# KiCad board Azimuth_PCB (1).kicad_pcb (continued)
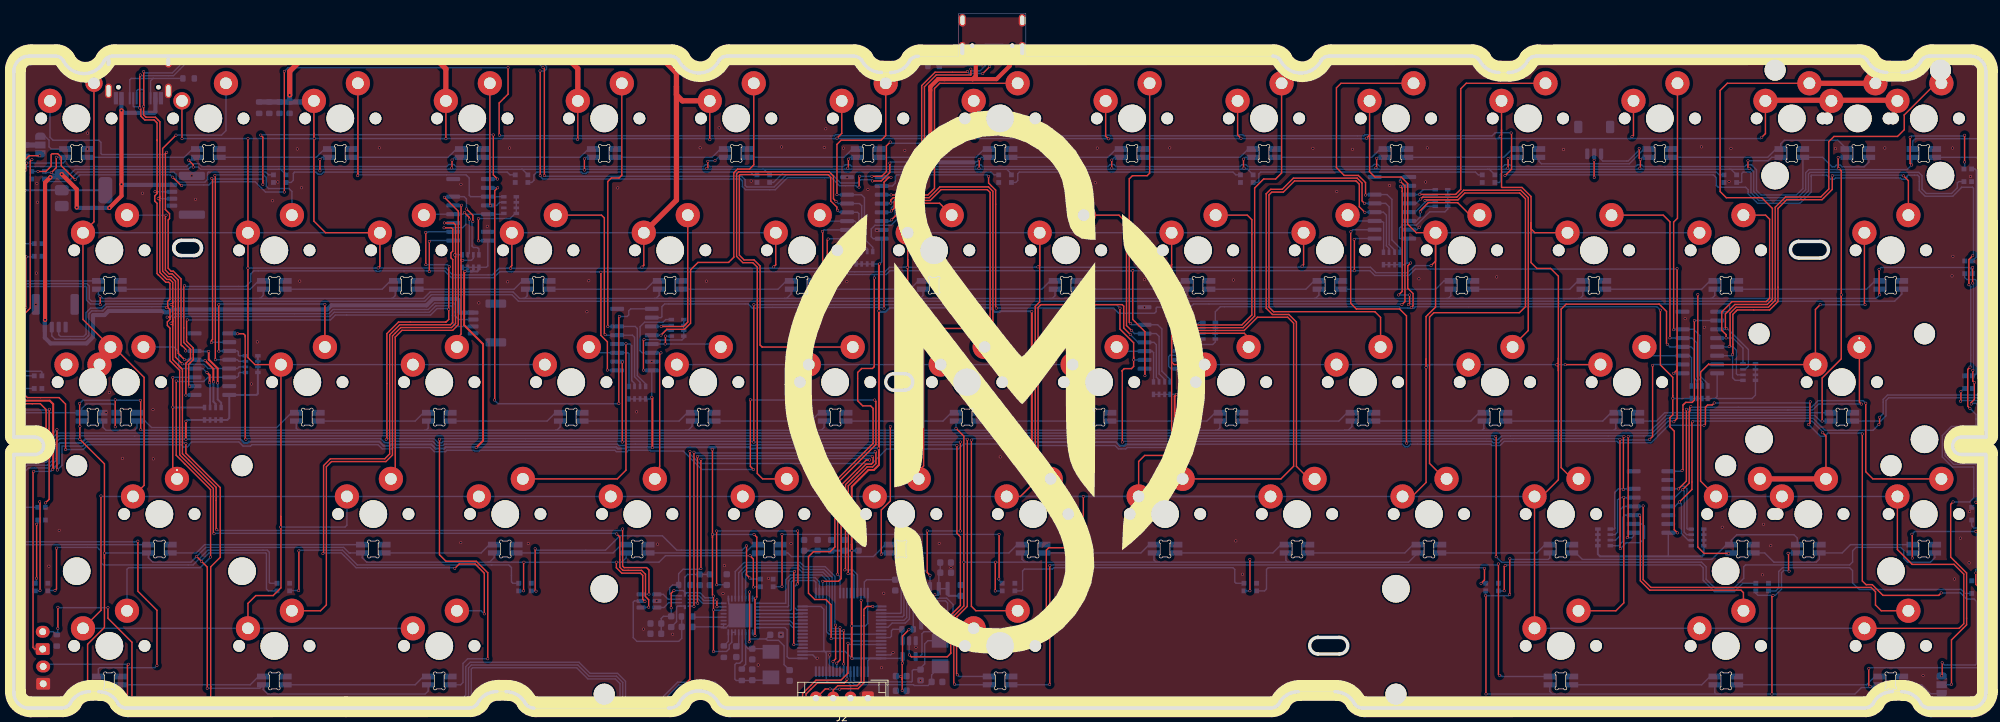
[diagram p0: board, top side]
## Routing (per net, layer and track width the routed paths; a pad name or vN(x,y) marks a point on that pad's centre or on a via; arc(x,y) is an arc through that point) (continued)
MOSI: length 13.5
  Bottom w0.2: 130.99,17.27 130.99,18.99 131,18.99 130.9,19.09 129.2,19.09 128.9,18.79 128.9,13.09 128.5,12.69 U1.53
n: length 52.7
  Top w0.2: SW49.2 149.39,33.12 147.86,34.65 147.86,57.88 148.27,58.29 160.02,58.29 160.23,58.08 160.23,54.93 v1(161.18,53.98)
  Bottom w0.2: v1(161.18,53.98) 162.31,52.84 U12.4 164.61,52.84 164.94,52.51 164.94,47.82 165.33,47.43 RN9.6
NXT: length 33.7
  Top w0.2: v1(118.63,11.99) 118.63,7.13 v1(118.25,6.74)
  Bottom w0.2: U1.11 118.25,5.3 v1(118.25,6.74) ; v1(118.63,11.99) 118.53,12.09 118.53,19.04 117.13,20.44 114.13,20.44 113.53,21.04 105.45,21.04 104.15,19.74 U7.11
o: length 9.9
  Bottom w0.2: RN11.5 197.75,65.88 197.75,70.13 197.61,70.27 197.46,70.27 197.35,70.38 U14.3 193.38,70.38 SW24.2
p: length 15
  Top w0.2: SW25.2 210.24,71.22 208.44,73.02 204.19,73.02 203.03,71.87 v1(203.03,71.67)
  Bottom w0.2: RN12.5 203.85,72.49 v1(203.03,71.67) 203.03,70.97 202.45,70.38 U14.14
q: length 47.4
  Top w0.2: v1(29.09,50.33) 29.09,76.87 v1(29.02,76.94)
  Bottom w0.2: SW16.2 40.14,74.64 39.73,75.06 36.77,75.06 36.45,75.38 36.45,76.65 36.06,77.04 29.12,77.04 v1(29.02,76.94) ; RN1.7 32.5,50.1 32.27,50.33 U3.12 v1(29.09,50.33)
r: length 22.5
  Top w0.2: v1(93.46,55.13) 96.66,55.13 97.29,55.77 SW19.2
  Bottom w0.2: U10.11 93.44,55.15 v1(93.46,55.13) 93.67,55.34 RN5.7
ralt: length 32
  Top w0.2: v1(232.42,30.46) 232.42,15.2 231.29,14.07 SW60.2
  Bottom w0.2: v1(232.42,30.46) 232.46,30.42 233.85,30.42 231.86,30.42 231.51,30.06 231.51,25.41 231.17,25.07 RN15.6
rctrl: length 60.9
  Top w0.2: SW62.2 269.59,14.07 268.76,14.9 268.76,16.81 268.13,17.44 236.34,17.44 235.22,18.56 v1(235.22,29.21)
  Bottom w0.2: v1(235.22,29.21) 235.15,29.15 U13.4 232.65,29.15 232.63,29.12 232.36,29.12 231.91,28.67 231.91,24.94 231.24,24.27 RN15.7
RGB: length 2
  Bottom w0.762: R15.1 1.83,81.35 JP1.2
rshift: length 56.7
  Top w0.2: v1(242.36,41.37) 242.26,41.27 242.26,31.59 v1(240.45,29.78) ; v1(261.13,39.79) 261.6,39.32 SW2001.2
  Top w0.762: SW54.2 SW2001.2
  Bottom w0.2: U13.13 239.81,29.15 v1(240.45,29.78) 240.74,29.49 240.74,25.26 241.73,24.26 RN16.6 ; v1(242.36,41.37) 242.46,41.47 259.59,41.47 261.13,39.93 v1(261.13,39.79)
RST: length 136.2
  Top w0.2: v1(16.4,1.18) 16.4,6.19 v1(16.55,6.34) ; v1(114.37,0.71) 114.37,2.04 115.97,3.64 119.91,3.64 120.28,4.01 v1(120.28,4.21)
  Bottom w0.2: v1(120.28,4.21) 120.28,4.22 U1.7 ; v1(114.37,0.71) 108.5,0.71 ; 108.5,0.71 103.71,0.71 101.07,3.35 96,3.35 93.67,1.02 88.12,1.02 87.91,1.24 87.91,3.71 86.99,4.62 83.04,4.62 81.43,6.23 66.05,6.23 65.64,5.82 65.64,1.71 65.03,1.1 28.93,1.1 28.82,1.21 28.24,1.21 27.64,0.61 26.03,0.61 16.97,0.61 v1(16.4,1.18) ; 108.5,0.71 107.97,0.71 ; v1(16.55,6.34) 4.56,6.34 SWboot1.2
rwin: length 35.8
  Top w0.2: v1(234.72,27.87) 234.81,27.78 234.81,18.41 236.17,17.04 249.35,17.04 249.69,16.69 SW61.2
  Bottom w0.2: RN15.8 231.66,23.47 232.31,24.12 232.31,27.6 232.58,27.88 U13.3 234.71,27.88 v1(234.72,27.87)
s: length 24.4
  Top w0.2: v1(64.64,72.65) 64.56,72.58 64.56,64.71 ; 64.56,64.71 64.56,54.04 63.96,53.43 SW31.2 ; 64.56,64.71 64.58,64.69 v1(64.79,64.69)
  Bottom w0.2: RN3.7 66.34,64.98 66.05,64.69 v1(64.79,64.69) ; U9.5 64.61,72.63 v1(64.64,72.65)
SCK: length 499.2
  Top w0.2: v1(59.48,64.07) 59.48,68.69 v1(59.45,68.72) ; v1(236.58,49.52) 236.58,39.25 v1(236.17,38.84) ; v1(106.83,38.44) v1(106.83,58.29) ; v1(160.03,38.44) 160.03,48.66 159.97,48.72 160.3,49.05 161.35,49.05 161.66,49.36 161.66,50.73 ; v1(25.39,46.51) 25.24,46.66 25.24,49.67 25.9,50.33 25.9,52.03 24.94,52.99 24.94,55.99 v1(25.04,56.09) ; v1(161.66,50.31) 161.66,50.73 ; 161.66,50.73 161.66,52.79 159.69,54.76 v1(159.69,57.79) ; v1(62.86,63.77) 62.79,63.7 v1(62.79,57.62) 62.79,56.17 62.4,55.78 55.53,55.78 53.86,54.11 53.86,38.94 v1(53.76,38.84) ; v1(116.77,58.29) 116.77,68.84 v1(116.74,68.87) ; v1(87.84,38.44) 87.84,49.94 87.9,50 ; v1(231.92,23.05) 231.87,23.1 v1(231.87,38.84) ; v1(136.65,25.6) v1(136.65,38.44) ; v1(131.86,25.6) 131.86,19.6 v1(132.26,19.19) ; v1(193.02,68.82) 193,68.8 193,58.48 193.81,57.67 200.05,57.67 201.05,56.67 201.05,38.31 v1(201.08,38.28)
  Bottom w0.2: 87.57,38.54 61.98,38.54 61.78,38.34 61.24,38.34 60.64,38.94 53.86,38.94 v1(53.76,38.84) ; 87.57,38.54 106.73,38.54 v1(106.83,38.44) v1(136.65,38.44) ; 87.57,38.54 87.74,38.54 v1(87.84,38.44) ; v1(161.66,50.31) 163.23,50.31 U12.2 ; v1(59.48,64.07) 62.56,64.07 v1(62.86,63.77) ; 132.26,17.27 v1(132.26,19.19) 131.56,19.89 128.86,19.89 128.1,19.12 128.1,13.79 128,13.69 U1.51 ; v1(236.58,49.52) 236.7,49.65 U15.2 ; v1(201.08,38.28) 201.33,38.54 201.65,38.54 ; v1(201.08,38.28) 201.08,38.54 ; v1(201.08,38.28) 200.82,38.54 200.59,38.54 ; U9.2 59.8,68.82 59.71,68.72 v1(59.45,68.72) ; v1(116.74,68.87) 116.95,69.09 U11.2 ; v1(131.86,25.6) v1(136.65,25.6) ; v1(231.92,23.05) 232.78,23.91 234.77,23.91 235.41,24.55 235.41,26.3 235.1,26.61 U13.2 ; 115.73,58.29 159.19,58.29 v1(159.69,57.79) ; 115.73,58.29 v1(106.83,58.29) ; 115.73,58.29 v1(116.77,58.29) ; 200.59,38.54 201.08,38.54 ; 200.59,38.54 160.14,38.54 160.04,38.44 v1(160.03,38.44) ; 201.08,38.54 201.65,38.54 ; U3.2 25.4,46.52 v1(25.39,46.51) ; 201.65,38.54 213.36,38.54 213.56,38.34 214.38,38.34 214.98,38.94 231.77,38.94 v1(231.87,38.84) 231.97,38.74 236.07,38.74 v1(236.17,38.84) ; v1(193.02,68.82) 193.31,69.11 U14.2 ; U10.2 87.8,50.07 v1(87.87,50) ; v1(25.04,56.09) 45.71,56.09 46.41,56.79 48.05,56.79 60.16,56.79 61.09,57.72 62.69,57.72 v1(62.79,57.62)
space: length 142.5
  Top w0.2: SW59.2 138.87,14.08 138.24,14.71 v1(138.24,38.73) ; v1(232.37,31.58) 232.37,39.15 v1(232.46,39.24)
  Bottom w0.2: RN15.5 231.03,25.87 231.11,25.95 231.11,31.16 231.63,31.69 232.68,31.69 ; v1(138.24,38.73) 138.45,38.94 213.53,38.94 213.73,38.74 214.21,38.74 214.81,39.34 232.36,39.34 v1(232.46,39.24) ; v1(232.37,31.58) 232.47,31.69 232.68,31.69 ; U13.6 232.68,31.69
SR_DOUT: length 160.3
  Top w0.2: v1(129.3,7.68) 129.57,7.41 134.75,7.41 135.26,7.92 135.26,13.44 136.65,14.83 136.65,24.77 136.15,25.27 v1(136.15,37.94) ; v1(33.5,38.84) 33.39,38.94 33.39,53.84 33.16,54.08 v1(32.31,54.08)
  Bottom w0.2: v1(32.31,54.08) 32.25,54.14 U3.9 ; v1(129.3,7.68) 129.25,7.73 U2.2 ; v1(136.15,37.94) 136.05,38.04 107.13,38.04 107.03,37.94 106.55,37.94 106.35,38.14 88.38,38.14 88.18,37.94 87.35,37.94 87.15,38.14 62.14,38.14 61.94,37.94 61.07,37.94 60.47,38.54 54.3,38.54 54.1,38.34 53.55,38.34 52.95,38.94 33.6,38.94 v1(33.5,38.84)
STP: length 32.8
  Top w0.2: v1(119.8,11.19) v1(119.8,6.39)
  Bottom w0.2: v1(119.8,11.19) 119.5,11.19 119.4,11.09 117.85,11.09 117.73,11.21 117.73,18.71 116.8,19.64 113.8,19.64 113.2,20.24 105.88,20.24 105.15,19.51 U7.13 ; U1.8 119.8,5.28 v1(119.8,6.39)
SWC: length 21.2
  Top w0.2: v1(119.23,2.74) 119.31,2.82 121.88,2.82 122.73,3.67 122.73,14.28 123.14,14.69 v1(123.99,14.69) ; v1(117.83,2.78) 117.13,2.78 J2.4
  Bottom w0.2: v1(119.23,2.74) 117.86,2.74 v1(117.83,2.78) ; U1.49 v1(123.99,14.69)
SWD: length 18.5
  Top w0.2: v1(122.33,15.55) 122.33,3.83 121.74,3.24 118.95,3.24 118.29,2.58 J2.3
  Bottom w0.2: v1(122.33,15.55) 122.28,15.59 U1.46
t: length 9.9
  Bottom w0.2: SW20.2 117.21,70.36 U11.3 121.4,70.36 121.6,70.16 RN8.5
tab: length 38.6
  Top w0.2: 24.07,50.92 23.94,51.05 ; 24.07,50.92 23.74,51.25 23.74,61.85 22.85,62.73 22.42,62.73 21.88,63.28 21.88,71.12 v1(21.98,71.22) ; 24.07,50.92 v1(24.63,50.36)
  Top w0.283: v1(27.62,50.2) 28.8,49.02 28.8,47.19 v1(28.85,47.14)
  Bottom w0.2: U3.5 24.66,50.33 v1(24.63,50.36) ; v1(21.98,71.22) SW15.2
  Bottom w0.283: v1(28.85,47.14) 28.81,47.1 28.81,44.28 29.13,43.97 RN2.7 ; v1(27.62,50.2) 26.23,50.2 U3.5
u: length 33.7
  Top w0.2: v1(161.35,54.55) 160.63,55.27 160.63,70.13 159.54,71.22 SW22.2
  Bottom w0.2: RN9.7 166.13,47.49 165.34,48.28 165.34,53.69 164.92,54.11 U12.5 161.79,54.11 v1(161.35,54.55)
UD: length 424.2
  Top w0.2: v1(71.35,92.54) 71.35,88.7 70.06,87.41 70.06,82.81 v1(70.09,82.78) ; v1(228.16,76.66) 228.14,76.68 v1(228.14,79.14) ; v1(8.85,76.36) 6.85,78.36 6.85,79.58 6.33,80.09 5.53,80.09 5.38,79.94 5.38,78.29 4.62,77.53 v1(3.49,77.53) ; v1(282.24,61.17) 282.24,64.81 v1(282.8,65.37) ; v1(215.27,76.93) 215.28,76.93 216.22,77.87 216.22,83.03 v1(216.16,83.09) ; v1(39.05,74.56) 39.05,74.56 v1(39.05,92) ; v1(282.41,49.27) 282.08,48.94 282.08,43.62 v1(282.39,43.31) ; v1(279.96,29.79) 279.61,29.44 279.61,21.83 281.91,19.53 281.91,12.04 279.73,9.86 v1(279.73,3.45) ; v1(22.93,76.7) 24.14,75.49 v1(24.23,75.49)
  Bottom w0.2: v1(3.49,77.53) 2.59,77.53 Drgb16.4 ; v1(39.05,92) 39.58,92.54 v1(71.35,92.54) ; 228.15,77.04 245.37,77.04 245.79,76.62 245.79,75.5 246.04,75.25 250.02,75.25 250.38,74.89 250.38,74.31 251.75,72.93 257.84,72.93 259.48,74.57 259.48,76.82 259.48,76.8 259.48,77 261.14,77 261.11,77 261.71,77 262.31,76.4 262.79,76.4 262.99,76.6 272.34,76.6 272.54,76.4 273.01,76.4 273.31,76.7 273.31,76.85 273.46,77 274.83,77 275.08,76.76 275.08,74.81 275.93,73.95 279.91,73.95 281.18,75.22 281.18,75.25 282.77,75.25 282.91,75.11 282.91,65.48 v1(282.8,65.37) ; 228.15,77.04 228.16,77.03 v1(228.16,76.66) ; 228.15,77.04 215.38,77.04 v1(215.27,76.93) ; v1(22.93,76.7) 22.59,77.04 9.53,77.04 v1(8.85,76.36) ; v1(279.96,29.79) 282.36,29.79 282.95,30.38 282.95,34.82 282.94,34.83 279.86,34.83 278.41,36.29 278.41,39.38 279.72,40.7 283.04,40.7 283.27,40.92 283.27,41.8 283.27,41.69 283.27,42.43 v1(282.39,43.31) ; v1(39.05,74.56) 36.33,74.56 34.85,76.04 29.48,76.04 29.45,76.01 28.59,76.01 28.17,75.59 24.33,75.59 v1(24.23,75.49) ; v1(216.16,83.09) 216.13,83.12 213.85,83.12 213.41,82.68 195.69,82.68 195.53,82.84 195.07,82.84 194.91,82.68 177.6,82.68 177.45,82.83 176.95,82.83 176.8,82.68 158.3,82.68 158.23,82.75 157.58,82.75 157.51,82.68 139.05,82.68 138.91,82.82 138.49,82.82 138.35,82.68 119.27,82.68 119.1,82.85 118.63,82.85 118.46,82.68 117.88,82.68 117.92,82.68 70.19,82.68 v1(70.09,82.78) ; v1(282.41,49.27) 282.51,49.37 282.51,60.9 v1(282.24,61.17) ; v1(228.14,79.14) 228.15,79.15 J3.2 ; JP2.2 279.66,3.38 v1(279.73,3.45)
USB_MUX: length 73.1
  Top w0.2: v1(123.55,35.85) 123.06,35.85 119.43,32.22 119.43,18.71 119.05,18.33 v1(116.78,18.33) ; v1(99.19,35.96) 99.19,20.17 v1(99.19,20.17)
  Bottom w0.2: U5.9 94.95,16.24 94.7,16.49 94.7,17.39 95.1,17.79 R4.1 95.97,19.43 96.61,20.07 99.09,20.07 v1(99.19,20.17) ; v1(99.19,35.96) 99.29,36.06 123.52,36.06 123.55,36.03 v1(123.55,35.85) ; v1(116.78,18.33) 116.78,18.33 U1.35
v: length 79
  Top w0.2: SW47.2 108.1,33.12 107.33,33.89 107.33,63.71 106.69,64.35 105.25,64.35 104.34,65.26 104.34,77.18 104.63,77.47 117.72,77.47 118.33,76.86 118.33,73.58 v1(118.7,73.21)
  Bottom w0.2: v1(118.7,73.21) 119.01,72.9 U11.5 122.08,72.9 122.4,72.58 122.4,67.19 123.2,66.39 RN8.7
w: length 12.5
  Top w0.2: v1(65.06,71.58) 65.76,70.89 v1(65.76,70.62)
  Bottom w0.2: v1(65.06,71.58) 64.83,71.36 U9.4 59.33,71.36 SW17.2 ; v1(65.76,70.62) 65.76,65.71 RN3.6
x: length 43.2
  Top w0.2: SW45.2 87.12,33.12 88.37,34.37 v1(88.37,52.64)
  Bottom w0.2: RN6.6 89.61,46.91 89.21,47.31 89.21,52.34 88.94,52.61 U10.4 88.33,52.61 v1(88.37,52.64)
y: length 15.8
  Top w0.2: SW21.2 135.37,71.22 133.65,72.94 127.51,72.94 127.5,72.93 127.5,71.34 v1(126.71,70.55)
  Bottom w0.2: U11.14 126.51,70.36 v1(126.71,70.55) 127.22,71.06 127.22,72.1 127.45,72.33 RN7.5
z: length 62.5
  Top w0.2: v1(66.27,70.31) 66.27,71.19 v1(65.34,72.12) ; v1(62.15,73.8) 64.16,71.79 64.16,55.39 63.35,54.58 56.03,54.58 55.06,53.61 55.06,33.75 SW44.2
  Bottom w0.2: v1(62.15,73.8) 62.24,73.9 U9.6 65.01,73.9 65.34,73.57 v1(65.34,72.12) ; v1(66.27,70.31) 66.16,70.2 66.16,66.74 66.36,66.54 66.93,66.54 67.14,66.33 RN3.8
Net-(C22-Pad1): length 19.9
  Top w0.2: v1(106.16,9.58) 106.22,9.64 v1(106.22,16.78)
  Bottom w0.2: 108.6,9.99 109.1,10.49 ; 108.6,9.99 108.8,9.79 110.4,9.79 111.2,8.99 111.2,6.29 C23.1 ; 108.6,9.99 106.3,9.99 106.15,10.14 106.15,10.43 ; 106.15,10.43 106.15,9.8 106.16,9.79 v1(106.16,9.58) ; 106.15,10.43 U7.26 ; U7.15 106.15,16.71 v1(106.22,16.78)
Net-(Drgb1-DIN): length 36.1
  Bottom w0.2: 4.41,76.44 4.77,76.08 7.87,76.08 9.23,77.44 23.11,77.44 23.43,77.12 23.43,76.39 23.83,75.99 27.58,75.99 27.97,76.38 27.97,77.33 28.07,77.44 36.38,77.44 36.78,77.04 Drgb1.4
Net-(Drgb1-DOUT): length 34.7
  Bottom w0.2: Drgb1.2 40.03,75.94 40.35,76.26 40.35,77.23 40.44,77.32 40.44,77.36 40.51,77.44 43.62,77.44 43.93,77.12 44.39,77.12 44.71,77.44 71.23,77.44 71.63,77.04 Drgb2.4
Net-(Drgb2-DOUT): length 34.5
  Bottom w0.2: Drgb3.4 106.76,77.04 106.36,77.44 82.78,77.44 82.58,77.24 82.12,77.24 81.92,77.44 75.5,77.44 75.08,77.01 75.08,76.26 74.76,75.94 Drgb2.2
Net-(Drgb3-DOUT): length 33.9
  Bottom w0.2: Drgb4.4 141.47,77.04 141.07,77.44 111.16,77.44 109.66,75.94 Drgb3.2
Net-(Drgb4-DOUT): length 34.4
  Bottom w0.2: Drgb4.2 144.65,75.94 144.93,76.22 144.93,77.21 145.15,77.44 176.01,77.44 176.41,77.04 177.08,77.04
Net-(Drgb5-DOUT): length 34.5
  Bottom w0.2: Drgb5.2 179.55,75.94 179.74,76.13 179.74,77.17 180,77.44 211.01,77.44 211.41,77.04 211.98,77.04
Net-(Drgb6-DOUT): length 34.5
  Bottom w0.2: Drgb7.4 246.2,77.04 245.8,77.44 214.91,77.44 214.61,77.13 214.61,76.1 214.45,75.94 Drgb6.2
Net-(Drgb7-DOUT): length 44.3
  Bottom w0.2: 248.71,75.94 249.36,75.94 249.45,76.03 249.45,77.24 249.64,77.44 250.65,77.44 250.78,77.32 250.78,74.47 251.9,73.34 257.69,73.34 259.08,74.73 259.08,77.18 259.3,77.4 275,77.4 275.48,76.92 275.48,74.97 276.1,74.35 279.75,74.35 280.58,75.18 280.58,75.89 280.61,75.89 280.78,76.07 281.63,76.07
Net-(Drgb8-DOUT): length 14.1
  Bottom w0.2: 282.75,64.61 283.31,65.17 283.31,77.7 283.11,77.9 Drgb8.2
Net-(Drgb10-DIN): length 16.6
  Bottom w0.2: Drgb10.4 283.01,48.01 283.31,48.3 283.31,61.77 283.17,61.91 281.94,61.91 281.65,62.2 Drgb9.2
Net-(Drgb10-DOUT): length 28
  Top w0.2: v1(281.04,44.33) 281.09,44.38 v1(281.09,45.73)
  Bottom w0.2: Drgb10.2 281.53,46.18 v1(281.09,45.73) ; Drgb11.4 283.75,35.24 283.36,35.63 280.2,35.63 279.21,36.62 279.21,39.05 280.06,39.9 283.38,39.9 284.07,40.59 284.07,43.84 283.48,44.43 281.14,44.43 v1(281.04,44.33)
Net-(Drgb11-DOUT): length 9.6
  Bottom w0.2: Drgb11.2 282.65,26.36 282.99,26.02 283.6,26.02 283.75,25.87 Drgb12.4
Net-(Drgb12-DOUT): length 34.7
  Bottom w0.2: Drgb13.4 254.38,16.94 254.79,17.35 254.79,19.74 255.33,20.29 265.03,20.29 265.45,19.87 265.45,18.11 266.41,17.15 281.1,17.15 281.67,16.58 Drgb12.2
Net-(Drgb13-DOUT): length 43.9
  Top w0.2: v1(215.3,20.59) 215.17,20.46 v1(215.17,16.96)
  Bottom w0.2: 251.48,18.04 249.58,18.04 248.36,16.82 245.53,16.82 243.97,18.38 243.97,18.39 243.88,18.48 243.88,20.28 243.47,20.69 215.4,20.69 v1(215.3,20.59) ; v1(215.17,16.96) 215.15,16.94 Drgb14.4
Net-(Drgb14-DOUT): length 39
  Top w0.2: v1(212.31,20.19) 212.31,18.52 v1(211.82,18.03)
  Bottom w0.2: 212.48,18.04 212.47,18.03 v1(211.82,18.03) ; v1(212.31,20.19) 212.21,20.29 181.08,20.29 180.84,20.04 180.84,17.22 180.56,16.94 Drgb15.4
Net-(Drgb15-DOUT): length 38.1
  Bottom w0.2: Drgb17.4 145.49,16.94 145.63,17.08 145.63,19.82 145.89,20.09 149.94,20.09 150.14,20.29 176.01,20.29 176.26,20.04 176.26,18.23 176.45,18.04 177.58,18.04
Net-(Drgb17-DOUT): length 47.4
  Top w0.2: v1(142.2,18.67) 142.24,18.71 v1(142.24,25.1) ; v1(110.89,25.1) 110.9,25.09 v1(110.9,17.6)
  Bottom w0.2: Drgb18.4 110.84,17.54 v1(110.9,17.6) ; v1(142.2,18.67) 142.2,18.53 Drgb17.2 ; v1(110.89,25.1) v1(142.24,25.1)
Net-(Drgb18-DOUT): length 45.9
  Top w0.2: v1(75.39,16.9) 75.26,17.03 v1(75.26,23.03) ; v1(105.76,23.45) 105.78,23.43 105.78,19.28 v1(106.26,18.8)
  Bottom w0.2: Drgb19.4 74.75,16.9 v1(75.39,16.9) ; v1(105.76,23.45) 105.13,22.82 95.7,22.82 93.64,24.89 87.49,24.89 85.42,22.82 75.46,22.82 v1(75.26,23.03) ; Drgb18.2 106.42,18.64 v1(106.26,18.8)
Net-(Drgb19-DOUT): length 42.1
  Top w0.2: v1(41.12,16.99) 41.15,17.02 v1(41.15,22.72)
  Bottom w0.2: Drgb20.4 39.86,16.99 v1(41.12,16.99) ; Drgb19.2 72.04,18.04 71.84,18.24 71.84,20.31 71.46,20.69 68.96,20.69 69,20.69 49.57,20.69 47.44,22.82 41.25,22.82 v1(41.15,22.72)
Net-(Drgb20-DOUT): length 46.6
  Top w0.2: v1(5.94,17) 6.16,17.22 v1(6.16,23.11)
  Bottom w0.2: Drgb20.2 37,18.04 36.89,18.15 36.89,22.52 36.58,22.82 28.01,22.82 25.88,20.69 12.93,20.69 12.53,21.09 12.53,22.75 12.05,23.22 6.27,23.22 v1(6.16,23.11) ; 4.91,16.94 4.97,17 v1(5.94,17)
Net-(Drgb21-DOUT): length 9.3
  Top w0.2: v1(3.29,26.57) 3.29,18.79 v1(3.27,18.77)
  Bottom w0.2: v1(3.27,18.77) 3.27,18.23 Drgb21.2 ; v1(3.29,26.57) 3.45,26.73 Drgb22.4
Net-(Drgb22-DOUT): length 22.9
  Top w0.2: v1(4.58,29.66) 5.1,30.18 5.1,43.13 v1(5.14,43.17)
  Bottom w0.2: Drgb23.4 1.38,46.18 1.2,45.99 1.2,43.51 1.63,43.07 5.13,43.07 5.14,43.08 v1(5.14,43.17) ; v1(4.58,29.66) 4.55,29.63 Drgb22.2
Net-(Drgb23-DOUT): length 20.7
  Top w0.2: v1(1.72,57.89) 1.72,65.14 v1(1.78,65.2)
  Bottom w0.2: v1(1.78,65.2) 2.87,65.2 Drgb24.4 ; v1(1.72,57.89) 1.6,57.77 1.6,48.83 1.76,48.67 3.91,48.67 4.05,48.53 Drgb23.2
Net-(J1-Pin_2): length 383.8
  Top w0.2: v1(18.26,91.47) 18.18,91.4 v1(18.18,86.7) 18.33,86.55 18.33,85.54 18.9,84.97 20.25,84.97 20.68,84.55 20.68,82.01 20.68,82.11 20.68,74.54 ; 22.54,56.48 22.54,57.58 22.21,57.91 ; 22.54,56.48 22.54,56.17 22.16,55.79 22.16,55.28 22.54,54.9 22.54,50.19 23.94,48.79 23.94,36.6 28.8,31.74 28.8,25.29 v1(28.9,25.19) ; 22.54,56.48 22.53,56.49 v1(22.13,56.49) ; v1(126.47,78.74) 126.47,77.4 125.23,76.16 v1(123.96,76.16) ; v1(91.65,14.58) 91.65,15.66 91.19,16.12 91.19,19.34 90.63,19.9 87.93,19.9 87.49,20.35 87.49,24.72 v1(87.05,25.16) ; 20.68,74.54 20.68,74.33 20.34,73.99 20.34,73.26 20.68,72.92 20.68,62.78 21.92,61.53 22.35,61.53 22.54,61.35 22.54,59.08 22.21,58.75 22.21,58.14 ; 20.68,74.54 20.44,74.54 v1(20.38,74.6) ; v1(138.16,92.32) 138.17,92.31 138.17,91.49 138.15,91.47 133.16,91.47 131.46,89.77 v1(131.46,78.9) ; v1(76.4,92.53) 76.59,92.34 v1(76.59,76.94) ; 22.21,58.14 22.21,57.91 ; 22.21,58.14 22.21,58.07 v1(22.03,57.89) 22.18,57.89 22.21,57.91
  Bottom w0.2: v1(76.4,92.53) 75.9,93.04 24.71,93.04 23.05,91.37 18.36,91.37 v1(18.26,91.47) ; v1(76.59,76.94) 76.69,76.84 105.08,76.84 105.58,76.34 105.58,75.52 105.81,75.29 109.76,75.29 111.51,77.04 118.2,77.04 119.37,75.87 121.8,75.87 122.27,76.34 123.78,76.34 v1(123.96,76.16) ; v1(22.13,56.49) 22.62,56.49 23.12,56.99 45.48,56.99 46.08,57.59 59.83,57.59 60.76,58.52 63.49,58.52 63.69,58.33 63.69,56.68 64.23,56.14 J6.2 ; v1(18.18,86.7) 18.24,86.76 J4#2.A7 18.24,86.95 18.17,86.88 17.34,86.88 17.24,86.98 J4#2.B7 ; v1(91.65,14.58) 90.6,14.58 U6.4 ; J5.2 5.48,53.78 5.97,53.29 10.24,53.29 10.48,53.53 10.48,53.53 10.71,53.75 10.71,53.76 10.83,53.88 10.83,56.98 11.24,57.39 12.84,57.39 13.44,57.99 13.73,57.99 13.71,57.99 21.93,57.99 v1(22.03,57.89) ; v1(87.05,25.16) 86.95,25.26 28.97,25.26 v1(28.9,25.19) ; v1(126.47,78.74) 126.63,78.9 v1(131.46,78.9) ; J1.2 20.39,74.59 v1(20.38,74.6) ; v1(138.16,92.32) 138.4,92.07 139.5,92.07 140.17,92.74 140.17,92.75 140.51,93.09 J4.B7 140.51,95.34 140.66,95.49 141.36,95.49 141.51,95.34 J4.A7
Net-(J1-Pin_3): length 386.4
  Top w0.2: 22.94,55.64 22.71,55.64 v1(22.68,55.61) ; 22.94,55.64 22.94,55.33 ; 22.94,55.64 22.94,56.08 ; v1(122.11,76.84) 122.03,76.76 v1(122.03,75.26) ; 21.08,73.92 21.08,73.67 ; 21.08,73.92 21.08,84.71 20.42,85.37 19.07,85.37 18.74,85.7 v1(18.74,86.93) 18.76,86.95 18.76,91.94 v1(18.74,91.96) ; 21.08,73.92 20.84,73.68 v1(20.84,73.62) ; 21.08,73.67 21.08,73.32 ; 21.08,73.67 21.03,73.62 v1(20.84,73.62) ; v1(22.68,55.61) 22.94,55.87 22.94,56.08 ; v1(22.68,55.61) 22.68,55.58 22.94,55.33 ; 23.67,49.62 22.94,50.35 22.94,55.33 ; 23.67,49.62 24.34,48.95 24.34,36.76 29.2,31.9 29.2,25.88 v1(29.3,25.78) ; 23.67,49.62 24.19,49.1 ; 22.94,58.72 22.94,58.01 ; 22.94,58.72 22.94,58.52 v1(22.71,58.29) 22.94,58.06 22.94,58.01 ; 22.94,58.72 22.94,61.52 22.52,61.93 22.09,61.93 21.08,62.95 21.08,73.32 ; 22.94,58.01 22.94,56.08 ; v1(130.96,81.6) 131.06,81.7 131.06,89.93 132.99,91.87 137.64,91.87 137.67,91.9 v1(137.67,91.97) ; v1(87.89,25.88) 87.89,20.51 88.1,20.3 91.35,20.3 91.69,19.96 v1(91.69,16.47) ; v1(75.99,76.93) 75.99,92.02 v1(75.96,92.05) ; 21.08,73.32 20.84,73.56 v1(20.84,73.62) ; v1(139.88,91.67) 140.87,92.66 v1(140.87,92.71) ; v1(126.52,81.78) 125.97,81.23 125.97,77.52 125.28,76.83 v1(123.87,76.83)
  Bottom w0.2: 141.11,93.68 141.11,92.95 v1(140.87,92.71) ; 141.11,93.68 141.01,93.78 J4.A6 ; 141.11,93.68 141.9,93.68 142.02,93.8 142.02,93.93 142.01,93.94 J4.B6 ; v1(22.71,58.29) 22.61,58.39 13.27,58.39 12.67,57.79 11.07,57.79 10.43,57.14 10.43,54.04 10.08,53.69 6.74,53.69 6.48,53.95 J5.3 ; v1(20.84,73.62) 20.87,73.59 J1.3 ; v1(122.11,76.84) 122.12,76.83 v1(123.87,76.83) ; v1(91.69,16.47) 90.59,16.47 U6.6 ; v1(130.96,81.6) 126.7,81.6 v1(126.52,81.78) ; J4#2.A6 17.74,89.21 17.89,89.36 18.66,89.36 18.74,89.28 J4#2.B6 v1(18.74,86.93) ; v1(75.96,92.05) 75.97,92.03 76.6,92.03 76.9,92.33 76.9,92.74 76.2,93.44 24.54,93.44 22.88,91.77 18.93,91.77 v1(18.74,91.96) ; v1(122.03,75.26) 121.79,75.26 121.58,75.47 119.2,75.47 118.03,76.64 117.05,76.64 117.07,76.64 111.67,76.64 109.93,74.89 105.64,74.89 105.18,75.36 105.18,76.18 104.91,76.44 76.38,76.44 75.99,76.83 v1(75.99,76.93) ; v1(137.67,91.97) 137.97,91.67 v1(139.88,91.67) ; v1(87.89,25.88) 87.67,25.66 29.41,25.66 v1(29.3,25.78) ; v1(22.68,55.61) 22.99,55.92 22.99,56.29 23.29,56.59 45.65,56.59 46.25,57.19 59.37,57.19 59.99,57.19 60.93,58.12 63.17,58.12 63.29,58.01 63.29,55.65 63.8,55.14 J6.3
Net-(J4-CC1): length 26.8
  Bottom w0.2: J4.B5 143.01,95.66 142.78,95.89 140.23,95.89 140.01,95.67 J4.A5 140.01,93.16 139.67,92.82 133.65,92.82 R3.1 ; 20.17,90.97 20.09,90.97 19.74,90.62 J4#2.B5 ; 20.17,90.97 16.94,90.97 16.74,90.77 J4#2.A5 ; 20.17,90.97 24.4,90.97
Net-(SW1-DOUT): length 16.3
  Bottom w0.2: SW1.5 24.6,79.57 25.8,80.77 SW2.4
Net-(SW2-DOUT): length 16.3
  Bottom w0.2: SW3.4 44.85,80.77 43.65,79.57 SW2.5
Net-(SW3-DOUT): length 16.3
  Bottom w0.2: SW4.4 63.9,80.77 62.7,79.57 SW3.5
Net-(SW4-DOUT): length 16.3
  Bottom w0.2: SW4.5 81.75,79.57 82.95,80.77 SW5.4
Net-(SW5-DOUT): length 16.3
  Bottom w0.2: SW5.5 100.8,79.57 102,80.77 SW6.4
Net-(SW6-DOUT): length 16.3
  Bottom w0.2: SW6.5 119.85,79.57 121.05,80.77 SW7.4
Net-(SW7-DOUT): length 16.3
  Bottom w0.2: SW7.5 138.9,79.57 140.1,80.77 SW8.4
Net-(SW8-DOUT): length 16.3
  Bottom w0.2: SW8.5 157.95,79.57 159.15,80.77 SW9.4
Net-(SW10-DIN): length 16.3
  Bottom w0.2: SW9.5 177,79.57 178.2,80.77 SW10.4
Net-(SW10-DOUT): length 16.3
  Bottom w0.2: SW10.5 196.05,79.57 197.25,80.77 SW11.4
Net-(SW11-DOUT): length 16.3
  Bottom w0.2: SW12.4 216.3,80.77 215.1,79.57 SW11.5
Net-(SW12-DOUT): length 17.5
  Bottom w0.2: SW13.4 235.35,80.77 233.21,78.64 220.53,78.64 220.18,78.99 SW12.5
Net-(SW13-DOUT): length 27.4
  Bottom w0.2: SW13.5 253.2,79.57 254.4,80.77 SW14.4 255.08,81.53 255.59,82.04 263.34,82.04 SW2000.4
Net-(SW14-DOUT): length 307.7
  Bottom w0.2: 238.4,78.24 249.89,78.24 250.14,78.49 250.86,78.49 251.58,77.77 251.58,74.8 252.24,74.14 257.36,74.14 258.28,75.06 SW14.5 261.12,79.57 262.5,78.2 262.87,78.2 263.13,78.46 263.68,78.46 263.94,78.2 267.12,78.2 267.8,78.89 SW2000.5 ; 238.4,78.24 238.24,78.24 ; 238.4,78.24 235.26,78.24 235,78.5 234.39,78.5 234.39,78.5 234.13,78.24 216.21,78.24 215.93,78.52 215.27,78.52 214.99,78.24 197.19,78.24 196.87,78.56 196.41,78.56 196.09,78.24 178.14,78.24 177.86,78.52 177.31,78.52 177.03,78.24 159.11,78.24 158.82,78.53 158.26,78.53 157.97,78.24 139.85,78.24 139.59,78.5 139.08,78.5 138.81,78.24 120.96,78.24 120.69,78.51 120.02,78.51 119.75,78.24 100.5,78.24 100.24,78.49 99.83,78.49 99.58,78.24 63.83,78.24 63.53,78.54 62.82,78.54 62.51,78.24 27.13,78.24 26.7,78.66 25.35,78.66 24.93,78.24 1.04,78.24 0.71,77.9 0.71,61.97 0.95,61.72 SW15.4
Net-(SW15-DOUT): length 21.1
  Bottom w0.2: SW15.5 34.12,60.52 35.32,61.72 SW16.4
Net-(SW16-DOUT): length 16.3
  Bottom w0.2: SW16.5 53.17,60.52 54.37,61.72 SW17.4
Net-(SW17-DOUT): length 16.3
  Bottom w0.2: SW18.4 73.42,61.72 72.22,60.52 SW17.5
Net-(SW18-DOUT): length 16.3
  Bottom w0.2: SW19.4 92.47,61.72 91.27,60.52 SW18.5
Net-(SW19-DOUT): length 16.3
  Bottom w0.2: SW19.5 110.32,60.52 111.52,61.72 SW20.4
Net-(SW20-DOUT): length 16.3
  Bottom w0.2: SW20.5 129.37,60.52 130.57,61.72 SW21.4
Net-(SW21-DOUT): length 16.3
  Bottom w0.2: SW21.5 148.42,60.52 149.62,61.72 SW22.4
Net-(SW22-DOUT): length 16.3
  Bottom w0.2: SW23.4 168.67,61.72 167.47,60.52 SW22.5
Net-(SW23-DOUT): length 16.3
  Bottom w0.2: SW23.5 186.52,60.52 187.72,61.72 SW24.4
Net-(SW24-DOUT): length 16.3
  Bottom w0.2: SW25.4 206.47,61.72 205.27,60.52 SW24.5
Net-(SW25-DOUT): length 16.3
  Bottom w0.2: SW25.5 224.62,60.52 225.82,61.72 SW26.4
Net-(SW26-DOUT): length 16.3
  Bottom w0.2: SW26.5 243.67,60.52 244.87,61.72 SW27.4
Net-(SW27-DOUT): length 21.1
  Bottom w0.2: SW27.5 267.48,60.52 268.68,61.72 SW28.4
Net-(SW30-DOUT): length 16.3
  Bottom w0.2: SW30.5 57.93,41.47 59.13,42.67 SW31.4
Net-(SW31-DOUT): length 16.3
  Bottom w0.2: SW32.4 78.18,42.67 76.98,41.47 SW31.5
Net-(SW32-DOUT): length 16.3
  Bottom w0.2: SW33.4 97.23,42.67 96.03,41.47 SW32.5
Net-(SW33-DOUT): length 16.3
  Bottom w0.2: SW33.5 115.08,41.47 116.28,42.67 SW34.4
Net-(SW34-DOUT): length 16.3
  Bottom w0.2: SW34.5 134.13,41.47 135.33,42.67 SW35.4
Net-(SW35-DOUT): length 16.3
  Bottom w0.2: SW36.4 154.38,42.67 153.18,41.47 SW35.5
